# Altium PCB DM0260.PcbDoc (continued)
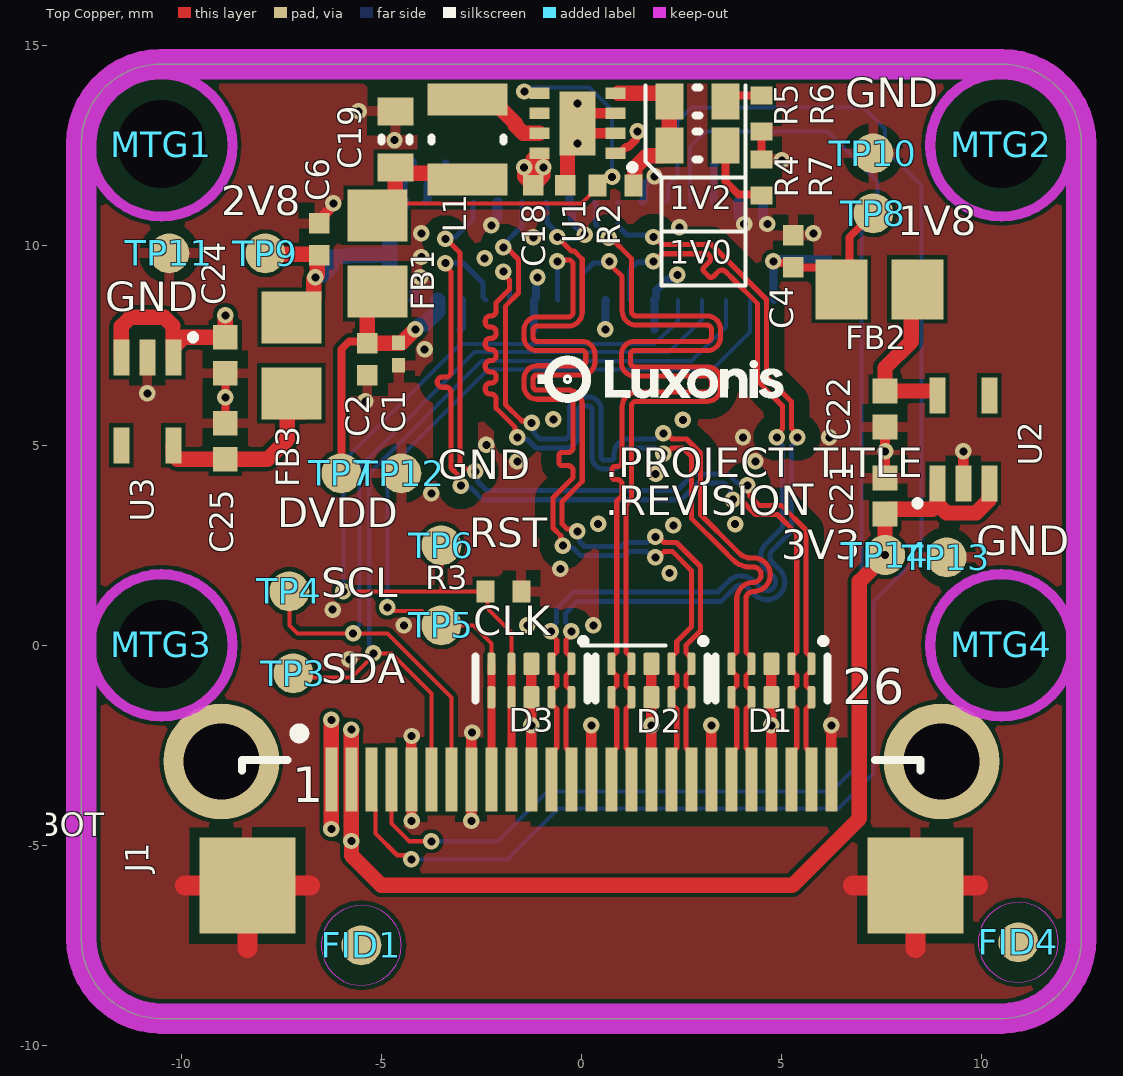
[diagram p0: Top Copper view]
## Part data (continued)
MTG1 MTG2 MTG3 MTG4: library part MP_Mounting-Holes, "=CurrentFootprint", B - Value="Not a Part", A - Level=0
R1 R3 R8: library part RC0402FR-1310KL, "RES SMD 10K OHM 1% 0402 1/16W Chip Resistor, 0402 [1005 Metric], 10 kohm, RC Series, 50 V, Thick Film, 62.5 mW", Case Code (Imperial)=0402, Case Code (Metric)=1005, Manufacturer 1=Yageo, Max Operating Temperature=155°C, Min Operating Temperature=-55°C, Power Rating=62.5mW, Resistance=10kR, Supplier Part Number 1=67R9960, Temperature Coefficient=100ppm/°C, Tolerance=1%, Voltage Rating=50V, Case/Package=0402, ComponentLink1Description=https://datasheet.ciiva.com/16940/pyu-rc0402-51-rohs-l-6-16940293.pdf?src-supplier=Avnet+Europe, ComponentLink1URL=https://datasheet.ciiva.com/16940/pyu-rc0402-51-rohs-l-6-16940293.pdf?src-supplier=Avnet+Europe, ComponentLink2Description=https://datasheet.ciiva.com/28386/pyu-rc0402-51-rohs-l-6-28386855.pdf?src-supplier=Avnet+Europe, ComponentLink2URL=https://datasheet.ciiva.com/28386/pyu-rc0402-51-rohs-l-6-28386855.pdf?src-supplier=Avnet+Europe, ComponentLink3Description=https://datasheet.ciiva.com/16740/pyu-rc0402-51-rohs-l-6-r-16740602.pdf?src-supplier=Future+Electronics, ComponentLink3URL=https://datasheet.ciiva.com/16740/pyu-rc0402-51-rohs-l-6-r-16740602.pdf?src-supplier=Future+Electronics, ComponentLink4Description=https://datasheet.ciiva.com/8891/pyu-rc0402-51-rohs-l-6-8891339.pdf?src-supplier=Avnet, ComponentLink4URL=https://datasheet.ciiva.com/8891/pyu-rc0402-51-rohs-l-6-8891339.pdf?src-supplier=Avnet, ComponentLink5Description=https://datasheet.ciiva.com/5557/pyu-rc0402-51-rohs-l-6-r-5557997.pdf?src-supplier=Mouser, ComponentLink5URL=https://datasheet.ciiva.com/5557/pyu-rc0402-51-rohs-l-6-r-5557997.pdf?src-supplier=Mouser, ComponentLink6Description=https://datasheet.ciiva.com/7983/1018594-7983533.pdf?src-supplier=Element14, ComponentLink6URL=https://datasheet.ciiva.com/7983/1018594-7983533.pdf?src-supplier=Element14, Composition="Thick Film", Contact Plating=Tin,Matte,Lead, Depth=0.5mm, Lead Free="Lead Free", Length=1mm, Manufacturer Part Number 1=RC0402FR-1310KL, Military Standard=Not, Number of Pins=2, Number of Terminations=2, Packaging="Tape and Reel", Pricing 1="1=0.10000, 25=0.01200, 100=0.00400, 250=0.00400, 500=0.00300, 1000=0.00300 (USD)", Radiation Hardening=No, REACH SVHC="No SVHC", RoHS=Yes, Stock 1=62239, Supplier 1=Newark, Supplier 2="Future Electronics", Supplier 3=Mouser, Supplier 4=Element14, Supplier Part Number 2=RC0402FR-1310KL-CUTT, Supplier Part Number 3=603-RC0402FR-1310KL, Supplier Part Number 4=1799235, Termination=SMD/SMT, Voltage Rating (DC)=50V, Working Voltage=50V
R2: library part CRCW040253K6FKED, "RES SMD 53.6K OHM 1% 1/16W 0402", Case Code (Imperial)=0402, Case Code (Metric)=1005, Manufacturer 1=Vishay, Max Operating Temperature=155°C, Max Power Dissipation=63mW, Min Operating Temperature=-55°C, Package Quantity=10, Resistance=53.6kR, Supplier Part Number 1=541-53.6KLCT-ND, Temperature Coefficient=100ppm/°C, Tolerance=1%, Voltage Rating=50V, Case/Package=0402, ComponentLink1Description=https://datasheet.ciiva.com/5542/dcrcwe3-109170-5542453.pdf?src-supplier=Mouser, ComponentLink1URL=https://datasheet.ciiva.com/5542/dcrcwe3-109170-5542453.pdf?src-supplier=Mouser, ComponentLink2Description=https://datasheet.ciiva.com/7815/1697337-7815992.pdf?src-supplier=Element14, ComponentLink2URL=https://datasheet.ciiva.com/7815/1697337-7815992.pdf?src-supplier=Element14, ComponentLink3Description=https://datasheet.ciiva.com/7815/1697337-7815993.pdf?src-supplier=Element14, ComponentLink3URL=https://datasheet.ciiva.com/7815/1697337-7815993.pdf?src-supplier=Element14, ComponentLink4Description=https://datasheet.ciiva.com/16208/dcrcwe3-16208556.pdf?src-supplier=Future+Electronics, ComponentLink4URL=https://datasheet.ciiva.com/16208/dcrcwe3-16208556.pdf?src-supplier=Future+Electronics, ComponentLink5Description=https://datasheet.ciiva.com/2464/dcrcwe3-2464093.pdf?src-supplier=Digi-Key, ComponentLink5URL=https://datasheet.ciiva.com/2464/dcrcwe3-2464093.pdf?src-supplier=Digi-Key, ComponentLink6Description=https://datasheet.ciiva.com/2464/dcrcwe3-2464094.pdf?src-supplier=Digi-Key, ComponentLink6URL=https://datasheet.ciiva.com/2464/dcrcwe3-2464094.pdf?src-supplier=Digi-Key, ComponentLink7Description=https://datasheet.ciiva.com/3256/dcrcwe3-3256638.pdf?src-supplier=Avnet, ComponentLink7URL=https://datasheet.ciiva.com/3256/dcrcwe3-3256638.pdf?src-supplier=Avnet, ComponentLink8Description=https://datasheet.ciiva.com/2464/dcrcwe3-2464095.pdf?src-supplier=Digi-Key, ComponentLink8URL=https://datasheet.ciiva.com/2464/dcrcwe3-2464095.pdf?src-supplier=Digi-Key, ComponentLink9Description=https://datasheet.ciiva.com/3256/dcrcwe3-3256639.pdf?src-supplier=Avnet, ComponentLink9URL=https://datasheet.ciiva.com/3256/dcrcwe3-3256639.pdf?src-supplier=Avnet, Composition="Thick Film", Contact Plating=Tin, Depth=0.5mm, Features="Automotive AEC-Q200", Height=0.016inch, Length=1mm, Manufacturer Part Number 1=CRCW040253K6FKED, Military Standard=Not, Number of Pins=2, Number of Terminations=2, Packaging="Tape and Reel", Power Rating=63mW, Pricing 1="1=0.10000, 10=0.03800, 100=0.01540, 1000=0.00690, 2500=0.00599, 5000=0.00495 (USD)", Radiation Hardening=No, REACH SVHC=Unknown, RoHS=Yes, Stock 1=82953, Supplier 1=Digi-Key, Weight=2.3E-05oz, Width=0.5mm
R4 R5: library part CRCW06030000Z0EA, "RES SMD 0.0R OHM 1% 1/10W 0603", Case Code (Imperial)=0603, Case Code (Metric)=1608, Current Rating=2A, Manufacturer 1=Vishay, Manufacturer Part Number 1=CRCW0603-0000Z0EA, Max Operating Temperature=155°C, Max Power Dissipation=100mW, Min Operating Temperature=-55°C, Package Quantity=1, Resistance=0mR, Supplier Part Number 1=541-0.0GCT-ND, Temperature Coefficient=100ppm/°C, Tolerance=5%, Voltage Rating=75V, Case/Package=0603, ComponentLink1Description=https://datasheet.ciiva.com/2461/dcrcwe3-2461968.pdf?src-supplier=Digi-Key, ComponentLink1URL=https://datasheet.ciiva.com/2461/dcrcwe3-2461968.pdf?src-supplier=Digi-Key, ComponentLink2Description=https://datasheet.ciiva.com/2461/dcrcwe3-2461969.pdf?src-supplier=Digi-Key, ComponentLink2URL=https://datasheet.ciiva.com/2461/dcrcwe3-2461969.pdf?src-supplier=Digi-Key, ComponentLink3Description=https://datasheet.ciiva.com/2461/dcrcwe3-2461970.pdf?src-supplier=Digi-Key, ComponentLink3URL=https://datasheet.ciiva.com/2461/dcrcwe3-2461970.pdf?src-supplier=Digi-Key, ComponentLink4Description=https://datasheet.ciiva.com/8340/dcrcwe3-8340197.pdf?src-supplier=Avnet, ComponentLink4URL=https://datasheet.ciiva.com/8340/dcrcwe3-8340197.pdf?src-supplier=Avnet, ComponentLink5Description=https://datasheet.ciiva.com/16941/dcrcw-16941302.pdf?src-supplier=Avnet+Europe, ComponentLink5URL=https://datasheet.ciiva.com/16941/dcrcw-16941302.pdf?src-supplier=Avnet+Europe, ComponentLink6Description=https://datasheet.ciiva.com/16199/dcrcwe3-16199063.pdf?src-supplier=Future+Electronics, ComponentLink6URL=https://datasheet.ciiva.com/16199/dcrcwe3-16199063.pdf?src-supplier=Future+Electronics, ComponentLink7Description=https://datasheet.ciiva.com/16725/70201119-16725175.pdf?src-supplier=Allied+Electronics, ComponentLink7URL=https://datasheet.ciiva.com/16725/70201119-16725175.pdf?src-supplier=Allied+Electronics, ComponentLink8Description=https://datasheet.ciiva.com/26316/fld-crcw-e3-data-en-26316615.pdf?src-supplier=Distrelec, ComponentLink8URL=https://datasheet.ciiva.com/26316/fld-crcw-e3-data-en-26316615.pdf?src-supplier=Distrelec, ComponentLink9Description=https://datasheet.ciiva.com/5544/dcrcwe3-109170-5544344.pdf?src-supplier=Mouser, ComponentLink9URL=https://datasheet.ciiva.com/5544/dcrcwe3-109170-5544344.pdf?src-supplier=Mouser, ComponentLink10Description=https://datasheet.ciiva.com/7841/1720486-7841816.pdf?src-supplier=Element14, ComponentLink10URL=https://datasheet.ciiva.com/7841/1720486-7841816.pdf?src-supplier=Element14, ComponentLink11Description=https://datasheet.ciiva.com/7841/1720486-7841817.pdf?src-supplier=Element14, ComponentLink11URL=https://datasheet.ciiva.com/7841/1720486-7841817.pdf?src-supplier=Element14, ComponentLink12Description=https://datasheet.ciiva.com/7841/125364-7841818.pdf?src-supplier=Element14, ComponentLink12URL=https://datasheet.ciiva.com/7841/125364-7841818.pdf?src-supplier=Element14, ComponentLink13Description=https://datasheet.ciiva.com/16721/70201119-16721450.pdf?src-supplier=Allied+Electronics, ComponentLink13URL=https://datasheet.ciiva.com/16721/70201119-16721450.pdf?src-supplier=Allied+Electronics, Composition="Thick Film", Contact Plating=Tin,Lead, Depth=0.85mm, Features="Automotive AEC-Q200", Height=0.02inch, Lead Free="Lead Free", Length=1.55mm, Military Standard=Not, Mount="Surface Mount", Number of Terminations=2, Packaging="Tape and Reel", Power Rating=100mW, Pricing 1="1=0.100000, 10=0.034000, 25=0.024400, 50=0.018600, 100=0.013800, 250=0.010480, 500=0.008400, 1000=0.006180 (USD)", Radiation Hardening=No, REACH SVHC=Unknown, RoHS=Yes, Stock 1=742743, Supplier 1=Digi-Key, Termination=SMD/SMT, Voltage Rating (DC)=75V, Weight=7.1E-05oz, Width=0.033inch, Working Voltage=75V
R6: library part CRCW040233K0FKED, "RES SMD 33K OHM 1% 1/16W 0402", Case Code (Imperial)=0402, Case Code (Metric)=1005, Manufacturer 1=Vishay, Max Operating Temperature=155°C, Max Power Dissipation=63mW, Min Operating Temperature=-55°C, Package Quantity=10, Resistance=33kR, Supplier Part Number 1=541-33.0KLCT-ND, Temperature Coefficient=100ppm/°C, Tolerance=1%, Voltage Rating=50V, Case/Package=0402, ComponentLink1Description=https://datasheet.ciiva.com/11812/0900766b80d98824-11812191.pdf?src-supplier=RSComponents, ComponentLink1URL=https://datasheet.ciiva.com/11812/0900766b80d98824-11812191.pdf?src-supplier=RSComponents, ComponentLink2Description=https://datasheet.ciiva.com/5544/dcrcwe3-109170-5544613.pdf?src-supplier=Mouser, ComponentLink2URL=https://datasheet.ciiva.com/5544/dcrcwe3-109170-5544613.pdf?src-supplier=Mouser, ComponentLink3Description=https://datasheet.ciiva.com/22870/70201119-22870281.pdf?src-supplier=Allied+Electronics, ComponentLink3URL=https://datasheet.ciiva.com/22870/70201119-22870281.pdf?src-supplier=Allied+Electronics, ComponentLink4Description=https://datasheet.ciiva.com/2463/dcrcwe3-2463133.pdf?src-supplier=Digi-Key, ComponentLink4URL=https://datasheet.ciiva.com/2463/dcrcwe3-2463133.pdf?src-supplier=Digi-Key, ComponentLink5Description=https://datasheet.ciiva.com/2463/dcrcwe3-2463134.pdf?src-supplier=Digi-Key, ComponentLink5URL=https://datasheet.ciiva.com/2463/dcrcwe3-2463134.pdf?src-supplier=Digi-Key, ComponentLink6Description=https://datasheet.ciiva.com/22674/1847332-22674693.pdf?src-supplier=Element14, ComponentLink6URL=https://datasheet.ciiva.com/22674/1847332-22674693.pdf?src-supplier=Element14, ComponentLink7Description=https://datasheet.ciiva.com/16200/dcrcwe3-16200566.pdf?src-supplier=Future+Electronics, ComponentLink7URL=https://datasheet.ciiva.com/16200/dcrcwe3-16200566.pdf?src-supplier=Future+Electronics, ComponentLink8Description=https://datasheet.ciiva.com/3256/dcrcwe3-3256411.pdf?src-supplier=Avnet, ComponentLink8URL=https://datasheet.ciiva.com/3256/dcrcwe3-3256411.pdf?src-supplier=Avnet, ComponentLink9Description=https://datasheet.ciiva.com/3256/dcrcwe3-3256412.pdf?src-supplier=Avnet, ComponentLink9URL=https://datasheet.ciiva.com/3256/dcrcwe3-3256412.pdf?src-supplier=Avnet, ComponentLink10Description=https://datasheet.ciiva.com/2463/dcrcwe3-2463135.pdf?src-supplier=Digi-Key, ComponentLink10URL=https://datasheet.ciiva.com/2463/dcrcwe3-2463135.pdf?src-supplier=Digi-Key, ComponentLink11Description=https://datasheet.ciiva.com/16772/70201119-16772031.pdf?src-supplier=Allied+Electronics, ComponentLink11URL=https://datasheet.ciiva.com/16772/70201119-16772031.pdf?src-supplier=Allied+Electronics, ComponentLink12Description=https://datasheet.ciiva.com/22704/1697337-22704431.pdf?src-supplier=Element14, ComponentLink12URL=https://datasheet.ciiva.com/22704/1697337-22704431.pdf?src-supplier=Element14, Composition="Thick Film", Contact Plating=Tin, Depth=0.5mm, Features="Automotive AEC-Q200", Height=0.35mm, Lead Free="Lead Free", Length=1mm, Manufacturer Part Number 1=CRCW040233K0FKED, Military Standard=Not, Mount="Surface Mount", Number of Pins=2, Number of Terminations=2, Packaging="Tape and Reel", Power Rating=63mW, Pricing 1="1=0.10000, 10=0.03800, 100=0.01540, 1000=0.00690, 2500=0.00599, 5000=0.00495 (USD)", Radiation Hardening=No, REACH SVHC=Unknown, RoHS=Yes, Stock 1=59075, Supplier 1=Digi-Key, Supplier 2=Newark, Supplier 3=Mouser, Supplier Part Number 2=26W9081, Supplier Part Number 3=71-CRCW040233K0FKED, Termination=SMD/SMT, Voltage Rating (DC)=50V, Weight=2.3E-05oz, Width=0.5mm
R7: library part RC0402FR-0740K2L, "RES SMD 40.2K OHM 1% 1/16W 0402", Case Code (Imperial)=0402, Case Code (Metric)=1005, Manufacturer 1=Yageo, Max Operating Temperature=155°C, Max Power Dissipation=63mW, Min Operating Temperature=-55°C, Package Quantity=1, Power Rating=62.5mW, Resistance=40.2kR, Supplier Part Number 1=311-40.2KLRCT-ND, Temperature Coefficient=100ppm/°C, Tolerance=1%, Voltage Rating=50V, Case/Package=0402, ComponentLink1Description=https://datasheet.ciiva.com/2453/pyu-r-int-thick-7-2453437.pdf?src-supplier=Digi-Key, ComponentLink1URL=https://datasheet.ciiva.com/2453/pyu-r-int-thick-7-2453437.pdf?src-supplier=Digi-Key, ComponentLink2Description=https://datasheet.ciiva.com/2453/pyu-r-int-thick-7-2453438.pdf?src-supplier=Digi-Key, ComponentLink2URL=https://datasheet.ciiva.com/2453/pyu-r-int-thick-7-2453438.pdf?src-supplier=Digi-Key, ComponentLink3Description=https://datasheet.ciiva.com/8889/pyu-rc0402-51-rohs-l-6-8889263.pdf?src-supplier=Avnet, ComponentLink3URL=https://datasheet.ciiva.com/8889/pyu-rc0402-51-rohs-l-6-8889263.pdf?src-supplier=Avnet, ComponentLink4Description=https://datasheet.ciiva.com/28400/pyu-rc0402-51-rohs-l-6-28400199.pdf?src-supplier=Avnet+Europe, ComponentLink4URL=https://datasheet.ciiva.com/28400/pyu-rc0402-51-rohs-l-6-28400199.pdf?src-supplier=Avnet+Europe, ComponentLink5Description=https://datasheet.ciiva.com/2453/pyu-r-int-thick-7-2453436.pdf?src-supplier=Digi-Key, ComponentLink5URL=https://datasheet.ciiva.com/2453/pyu-r-int-thick-7-2453436.pdf?src-supplier=Digi-Key, ComponentLink6Description=https://datasheet.ciiva.com/5557/pyu-rc0402-51-rohs-l-6-r-5557981.pdf?src-supplier=Mouser, ComponentLink6URL=https://datasheet.ciiva.com/5557/pyu-rc0402-51-rohs-l-6-r-5557981.pdf?src-supplier=Mouser, ComponentLink7Description=https://datasheet.ciiva.com/16744/pyu-rc0402-51-rohs-l-6-r-16744286.pdf?src-supplier=Future+Electronics, ComponentLink7URL=https://datasheet.ciiva.com/16744/pyu-rc0402-51-rohs-l-6-r-16744286.pdf?src-supplier=Future+Electronics, ComponentLink8Description=https://datasheet.ciiva.com/16857/pyu-rc0402-51-rohs-l-6-16857071.pdf?src-supplier=Avnet+Europe, ComponentLink8URL=https://datasheet.ciiva.com/16857/pyu-rc0402-51-rohs-l-6-16857071.pdf?src-supplier=Avnet+Europe, Composition="Thick Film", Contact Plating=Tin,Matte, Depth=0.5mm, Features="Moisture Resistant", Height=0.016inch, Lead Free="Lead Free", Length=0.039inch, Manufacturer Part Number 1=RC0402FR-0740K2L, Military Standard=Not, Number of Terminations=2, Packaging="Tape and Reel", Pricing 1="1=0.10000, 10=0.01600, 100=0.00640, 1000=0.00289, 2500=0.00251, 5000=0.00207 (USD)", RoHS=Yes, Stock 1=1379708, Supplier 1=Digi-Key, Supplier 2=Mouser, Supplier 3=TTI, Supplier Part Number 2=603-RC0402FR-0740K2L, Supplier Part Number 3=RC0402FR-0740K2L, Termination=SMD/SMT, Voltage Rating (DC)=50V, Width=0.02inch
TP1 TP2 TP3 TP4 TP5 TP6 TP7 TP8 TP9 TP10 TP11 TP12 TP13 TP14: library part TEST_POINT
U1: "IC REG BUCK ADJ 1.2A SYNC 8WSON", Manufacturer 1="Texas Instruments", Manufacturer Part Number 1=TLV62080DSGR, Manufacturer Part Number 2=TLV62080DSGT, Max Input Voltage=5.5V, Max Operating Temperature=125°C, Max Output Current=1.2A, Max Output Voltage=4V, Min Input Voltage=2.5V, Min Operating Temperature=-40°C, Min Output Voltage=500mV, Nominal Supply Current=30uA, Package Quantity=3000, Supplier Part Number 1=296-39270-1-ND, Switching Frequency=2MHz, ComponentLink1Description=https://datasheet.ciiva.com/6604/tlv62080-6604087.pdf?src-supplier=Digi-Key, ComponentLink1URL=https://datasheet.ciiva.com/6604/tlv62080-6604087.pdf?src-supplier=Digi-Key, ComponentLink2Description=https://datasheet.ciiva.com/14378/tlv62080-14378282.pdf?src-supplier=Avnet, ComponentLink2URL=https://datasheet.ciiva.com/14378/tlv62080-14378282.pdf?src-supplier=Avnet, ComponentLink3Description=https://datasheet.ciiva.com/29732/tlv62080-29732147.pdf?src-supplier=Digi-Key, ComponentLink3URL=https://datasheet.ciiva.com/29732/tlv62080-29732147.pdf?src-supplier=Digi-Key, ComponentLink4Description=https://datasheet.ciiva.com/29732/tlv62080-29732156.pdf?src-supplier=Digi-Key, ComponentLink4URL=https://datasheet.ciiva.com/29732/tlv62080-29732156.pdf?src-supplier=Digi-Key, ComponentLink5Description=https://datasheet.ciiva.com/29732/tlv62080-29732151.pdf?src-supplier=Digi-Key, ComponentLink5URL=https://datasheet.ciiva.com/29732/tlv62080-29732151.pdf?src-supplier=Digi-Key, ComponentLink6Description=https://datasheet.ciiva.com/14378/tlv62080-14378283.pdf?src-supplier=Avnet, ComponentLink6URL=https://datasheet.ciiva.com/14378/tlv62080-14378283.pdf?src-supplier=Avnet, ComponentLink7Description=https://datasheet.ciiva.com/26104/tlv62080-26104460.pdf?src-supplier=Avnet+Europe, ComponentLink7URL=https://datasheet.ciiva.com/26104/tlv62080-26104460.pdf?src-supplier=Avnet+Europe, Contact Plating=Gold, Lead Free="Lead Free", Manufacturer 2="Texas Instruments", Min Supply Voltage=2.5V, Mount="Surface Mount", Number of Outputs=1, Number of Pins=8, Output Configuration=Positive, Output Current=1.2A, Output Type=Adjustable, Output Voltage=4V, Packaging="Tape and Reel", Pricing 1="1=1.35000, 10=1.20300, 100=0.93810, 500=0.77498, 1000=0.61182 (USD)", Pricing 2="1=1.48000, 10=1.32700, 100=1.06620 (USD)", Quiescent Current=30uA, Radiation Hardening=No, REACH SVHC="No SVHC", RoHS=Yes, Stock 1=93781, Stock 2=6366, Supplier 1=Digi-Key, Supplier 2=Digi-Key, Supplier Part Number 2=296-36759-1-ND, Synchronous Rectifier=Yes
U2: "IC REG LINEAR 1.8V 200MA SC70-5 Linear Voltage Regulator IC  1 Output  200mA SC-70-5", Case/Package=SC, Dropout Voltage=175mV, Manufacturer 1="Texas Instruments", Manufacturer Part Number 1=TLV70018DCKR, Manufacturer Part Number 2=TLV70018DCKT, Max Input Voltage=5.5V, Max Operating Temperature=125°C, Max Output Current=200mA, Max Output Voltage=1.8V, Max Power Dissipation=320mW, Min Current Limit=220mA, Min Input Voltage=2V, Min Operating Temperature=-40°C, Nominal Supply Current=31uA, Output Voltage Accuracy=2%, Package Quantity=1, Quiescent Current=30uA, Supplier Part Number 1=296-32409-1-ND, Accuracy=2%, ComponentLink1Description=https://datasheet.ciiva.com/41462/001014631-da-01-en-ic-reg-ldo-1-8v-0-tlv70018dckr-sot-5-tid-41462480.pdf?src-supplier=Conrad, ComponentLink1URL=https://datasheet.ciiva.com/41462/001014631-da-01-en-ic-reg-ldo-1-8v-0-tlv70018dckr-sot-5-tid-41462480.pdf?src-supplier=Conrad, ComponentLink2Description=https://datasheet.ciiva.com/22700/1882059-22700171.pdf?src-supplier=Element14, ComponentLink2URL=https://datasheet.ciiva.com/22700/1882059-22700171.pdf?src-supplier=Element14, ComponentLink3Description=https://datasheet.ciiva.com/14149/tlv700-eng-ds-14149837.pdf?src-supplier=Distrelec, ComponentLink3URL=https://datasheet.ciiva.com/14149/tlv700-eng-ds-14149837.pdf?src-supplier=Distrelec, ComponentLink4Description=https://datasheet.ciiva.com/7992/1882059-7992894.pdf?src-supplier=Element14, ComponentLink4URL=https://datasheet.ciiva.com/7992/1882059-7992894.pdf?src-supplier=Element14, Contact Plating=Gold, Height=1mm, Lead Free="Lead Free", Length=2.15mm, Manufacturer 2="Texas Instruments", Min Output Voltage=1.8V, Nominal Output Voltage=1.8V, Number of Outputs=1, Number of Pins=5, Number of Regulators=1, Output Current=200mA, Output Type=Fixed, Output Voltage=1.8V, Packaging="Tape and Reel", Polarity=Positive, Power Dissipation=320mW, Power Rating=320mW, Pricing 1="1=0.48000, 10=0.40900, 100=0.30570, 500=0.24020, 1000=0.18561 (USD)", Pricing 2="1=0.55000, 10=0.46700, 100=0.34900 (USD)", Radiation Hardening=No, REACH SVHC="No SVHC", RoHS=Yes, Stock 1=63905, Stock 2=13188, Supplier 1=Digi-Key, Supplier 2=Digi-Key, Supplier Part Number 2=296-25269-1-ND, Width=1.4mm
U3: "IC REG LINEAR 2.8V 200MA SC70-5 Linear Voltage Regulator IC  1 Output  200mA SC-70-5", Case/Package=SC, Dropout Voltage=175mV, Manufacturer 1="Texas Instruments", Manufacturer Part Number 1=TLV70028DCKT, Manufacturer Part Number 2=TLV70028DCKR, Max Input Voltage=5.5V, Max Operating Temperature=125°C, Max Output Current=200mA, Max Output Voltage=2.8V, Max Power Dissipation=320mW, Min Current Limit=220mA, Min Input Voltage=2V, Min Operating Temperature=-40°C, Nominal Supply Current=31uA, Output Voltage Accuracy=2%, Package Quantity=1, Quiescent Current=30uA, Supplier Part Number 1=296-39279-1-ND, Accuracy=2%, ComponentLink1Description=https://datasheet.ciiva.com/14149/tlv700-eng-ds-14149840.pdf?src-supplier=Distrelec, ComponentLink1URL=https://datasheet.ciiva.com/14149/tlv700-eng-ds-14149840.pdf?src-supplier=Distrelec, ComponentLink2Description=https://datasheet.ciiva.com/22700/1882059-22700172.pdf?src-supplier=Element14, ComponentLink2URL=https://datasheet.ciiva.com/22700/1882059-22700172.pdf?src-supplier=Element14, ComponentLink3Description=http://components.arrow.com/part/dataview/0323_00585634?src-supplier=Arrow+Europe, ComponentLink3URL=http://components.arrow.com/part/dataview/0323_00585634?src-supplier=Arrow+Europe, ComponentLink4Description=http://focus.ti.com/lit/ds/symlink/tlv70033.pdf?src-supplier=Avnet+Europe, ComponentLink4URL=http://focus.ti.com/lit/ds/symlink/tlv70033.pdf?src-supplier=Avnet+Europe, ComponentLink5Description=http://www.ti.com/lit/ds/slvsa00d/slvsa00d.pdf?src-supplier=Digi-Key, ComponentLink5URL=http://www.ti.com/lit/ds/slvsa00d/slvsa00d.pdf?src-supplier=Digi-Key, ComponentLink6Description=http://www.ti.com/lit/pdf/slyy050?src-supplier=Digi-Key, ComponentLink6URL=http://www.ti.com/lit/pdf/slyy050?src-supplier=Digi-Key, ComponentLink7Description=http://www.ti.com/general/docs/lit/getliterature.tsp?genericPartNumber=TLV700&&fileType=pdf&src-supplier=Avnet+Asia, ComponentLink7URL=http://www.ti.com/general/docs/lit/getliterature.tsp?genericPartNumber=TLV700&&fileType=pdf&src-supplier=Avnet+Asia, ComponentLink8Description=http://www.ti.com/general/docs/lit/getliterature.tsp?genericPartNumber=TLV700&&fileType=pdf&src-supplier=Avnet, ComponentLink8URL=http://www.ti.com/general/docs/lit/getliterature.tsp?genericPartNumber=TLV700&&fileType=pdf&src-supplier=Avnet, ComponentLink9Description=http://components.arrow.com/part/dataview/48329233S8322732N7713?src-supplier=Arrow, ComponentLink9URL=http://components.arrow.com/part/dataview/48329233S8322732N7713?src-supplier=Arrow, ComponentLink10Description=http://www.ti.com/litv/slvsa00d?src-supplier=Mouser, ComponentLink10URL=http://www.ti.com/litv/slvsa00d?src-supplier=Mouser, ComponentLink11Description=http://www.ti.com/lit/ds/slvsa00e/slvsa00e.pdf?src-supplier=Digi-Key, ComponentLink11URL=http://www.ti.com/lit/ds/slvsa00e/slvsa00e.pdf?src-supplier=Digi-Key, Contact Plating=Gold, Height=1mm, Lead Free="Lead Free", Length=2.15mm, Manufacturer 2="Texas Instruments", Max Supply Voltage=5.5V, Min Output Voltage=2.8V, Min Supply Voltage=2V, Nominal Output Voltage=2.8V, Number of Outputs=1, Number of Pins=5, Number of Regulators=1, Output Current=200mA, Output Type=Fixed, Output Voltage=2.8V, Packaging="Tape and Reel", Polarity=Positive, Power Dissipation=320mW, Power Rating=320mW, Pricing 1="1=0.55000, 10=0.46700, 100=0.34900 (USD)", Pricing 2="1=0.48000, 10=0.40900, 100=0.30570, 500=0.24020, 1000=0.18561 (USD)", Radiation Hardening=No, REACH SVHC="No SVHC", RoHS=Yes, Stock 1=832, Stock 2=30013, Supplier 1=Digi-Key, Supplier 2=Digi-Key, Supplier Part Number 2=296-25271-1-ND, Termination=SMD/SMT, Width=1.4mm

## Free pads (board coordinates)
  round 2.9 hole 1.9: 6(9,-2.9) 7(-9,-2.9)

## Via types
v1: diameter 0.41, hole 0.2, Top Copper to Bottom Layer, tented both sides, 100 vias
v2: diameter 0.406, hole 0.203, Top Copper to Bottom Layer, 2 vias

## Nets (pads, with @x,y where several pads share a name; then routed paths per layer and width w, separated by ;. In a path a pad name is that pad's centre, name@x,y a point inside that pad or via, vN(x,y) a via of type N, cw(c..) or ccw(c..) an arc to the next point about the centre after c; other vN are vias at no path point)
1.8V: C22.2 FB2.1 U2.5 | length 4.3
  Top Copper w0.381: FB2.1 8.25,8.75 8.25,7.6 7.59,6.94 C22.2 8.891,6.358 8.9,6.348 U2.5
2.8V: C25.2 FB3.1 U3.5 | length 4.5
  Top Copper w0.381: U3.5 -10.2,4.75 -10.1,4.65 C25.2 -7.848,4.65 -7.35,5.148 -7.35,5.84 -6.91,5.84 FB3.1@-6.9,5.85
3V3: C18.2 C21.2 C24.2 J1.1 J1.2 TP14.1 U1.1 U1.8 U2.1 U2.3 U3.1 U3.3 | length 43.9
  Top Copper w0.2: v1(-1.427,11.95) -1.2,11.95 v1@-1.125,11.95 ; C18.2 -1.125,11.575 v1@-1.125,11.95 ; U1.8 -1.085,12.3 -1.125,12.26 v1@-1.125,11.95 ; v1@-0.925,12.15 -0.925,11.975 v1(-0.95,11.95) v1@-1.125,11.95 ; U1.1 0.96,12.3 1.12,12.46 1.183,12.46 1.365,12.642 1.365,12.81 v1(1.405,12.85)
  Top Copper w0.381: U3.3 -11.5,7.977 -11.277,8.2 -10.423,8.2 -10.209,7.986 -10.209,7.21 U3.1 -10.2,7.45 -9.95,7.7 C24.2 v1(-8.9,8.25) ; v1@-6.25,-4.6 v1(-6.25,-4.592) v1(-6.25,-1.861) v1@-6.25,-1.853 ; v1@-5.75,-4.899 v1(-5.75,-4.891) ; v1@-5.75,-2.102 v1(-5.75,-2.11) J1.2 v1(-5.75,-4.891) ; v1(-1.427,11.95) -1.422,11.944 -1.422,11.722 C18.2 -1.2,11.95 -1.2,12.15 ; C18.2@-1.125,11.575 -0.956,11.744 -0.956,11.944 v1(-0.95,11.95) ; C21.2 7.595,2.245 6.95,1.6 6.95,-4.325 5.275,-6 -5,-6 -5.744,-5.256 -5.744,-4.897 v1(-5.75,-4.891) ; C21.2@7.715,3.404 8.781,3.404 8.9,3.523 U2.1 ; 8.91,3.533 9.133,3.309 9.87,3.309 10.191,3.63 10.191,4.04 U2.3
  Layer 1 w0.2: v1(-0.95,11.95) -0.95,12.8 -0.75,13 1.198,13 1.348,12.85 v1(1.405,12.85)
  other v1: 7.595,2.258
C_1.8V: C3.2 C4.2 FB2.2 J2.1 TP8.1 | length 7
  Top Copper w0.2: v1(4.8,9.6) 4.84,9.56 5.14,9.56 5.3,9.4 C4.2@5.3,9.35 ; C4.2 5.95,9.45 6,9.4 FB2.2@6,8.35 ; FB2.2 6.7,9.1 6.7,10.2 TP8.1
  Bottom Layer w0.2: J2.1 4.806,8.64 4.806,9.594 v1(4.8,9.6) 4.857,9.6 4.916,9.659 6.161,9.659 C3.2@6.179,9.641
C_2.8V: C5.2 C6.2 FB3.2 J2.32 J2.33 R8.2 TP9.1 | length 9.2
  Top Copper w0.381: TP9.1 -7.875,9.775 -6.575,9.775 C6.2 -6.604,9.696 -6.604,9.254 -6.65,9.208 v1(-6.65,9.2) -6.65,9.192 -6.69,9.152 -6.69,8.66 -7.15,8.2 FB3.2
  Bottom Layer w0.2: J2.32 -4.44,11.125 -4.44,11.57 -4.425,11.584 -4.425,11.925 R8.2
  Bottom Layer w0.381: v1(-6.65,9.2) -6.642,9.2 -6.592,9.25 -6.473,9.25 -6.25,9.473 C5.2 -5.836,9.722 -5.808,9.75 -4.831,9.75 -4.788,9.707 ; J2.33 -4.788,9.707 ; J2.32 -4.48,10.99 -4.521,10.95 -4.524,10.95 -4.788,10.686 -4.788,9.707 ; R8.2@-4.3,12 R8.2
C_DVDD: C1.2 C2.2 FB1.2 J2.29 TP7.1 | length 7.6
  Top Copper w0.2: TP7.1 -6,7.4 -5.8,7.6 -5.4,7.6 C2.2
  Top Copper w0.381: FB1.2 -5.35,8.6 C2.2 C1.2@-4.58,7.55 ; C1.2@-4.57,7.55 -4.508,7.55 -4.158,7.9 v1(-4.15,7.9)
  Bottom Layer w0.381: v1@-4.144,7.906 -4.137,7.906 -4.023,8.019 -3.917,8.019 -3.588,8.348 J2.29
CAM_CLK: D3.5 D3.6 J1.9 J2.3 TP5.1 | length 21.1
  Top Copper w0.102: v1(-4.85,0.95) -4.767,0.95 -4.67,0.854 -3.985,0.854 -3.629,0.498 -2.698,0.498 -2.25,0.05 D3.5 D3.5@-2.25,-0.472
  Top Copper w0.2: J1.9 D3.6 -2.25,-0.648 D3.5@-2.25,-0.472
  Bottom Layer w0.102: v1(-4.85,0.95) -4.85,4.378 -2.334,6.895 3.278,6.895 4.212,7.829 J2.3
CAM_RST: D3.4 D3.7 J1.10 J2.9 R3.2 TP6.1 | length 23.3
  Top Copper w0.102: v1(-5.95,1.35) -3.5,1.35 ; TP6.1 -3.5,1.35 ; R3.2 R3.2@-2.45,1.35 ; D3.4 -1.75,0.324 -2.35,0.924 -2.35,1.25 R3.2@-2.45,1.35 ; -3.5,1.35 R3.2@-2.45,1.35
  Top Copper w0.2: J1.10 -1.75,-1.483 D3.7 D3.4
  Bottom Layer w0.102: v1(-5.95,1.35) -5.95,4.608 -3.026,7.532 1.832,7.532 2.412,8.112 J2.9
FSIN: J1.4 J2.8 TP2.1 | length 35.4
  Top Copper w0.102: J1.4 -4.75,-4.45 -4.301,-4.899 v1(-3.75,-4.899)
  Bottom Layer w0.102: v1(-3.75,-4.899) -2.099,-4.899 -0.85,-3.65 6.25,-3.65 7,-2.9 7,10.5 TP2.1 7.407,11.093 7.407,11.593 7,12 6.15,12.85 3.1,12.85 2.72,12.47 J2.8
GND: C1.1 C2.1 C3.1 C4.1 C5.1 C6.1 C18.1 C19.1 C21.1 C22.1 C24.1 C25.1 D1.3 D1.8 D2.3 D2.8 D3.3 D3.8 J1.5 J1.8 J1.11 J1.14 J1.17 J1.20 J1.23 J1.26 J1.MP1 J1.MP2 J2.2 J2.4 J2.11 J2.12 J2.15 J2.18 J2.21 J2.24 J2.27 J2.31 R1.1 R3.1 R6.1 R7.1 TP10.1 TP11.1 TP12.1 TP13.1 U1.2 U1.3 U1.9 U2.2 U3.2 | length 44.9
  Top Copper w0.2: C25.1 C24.1 ; U1.9@-0.3,12.35 v2(-0.1,12.55) ; R7.1 R6.1
  Top Copper w0.254: C6.1 -6.417,10.683 -6.417,10.778 -6.2,10.995 v1(-6.2,11.05) ; v1(-4.244,-2.267) -4.25,-2.273 J1.5 -4.246,-3.355 -4.246,-4.387 v1(-4.242,-4.391) ; v1(-2.75,-4.391) -2.75,-2.198 v1(-2.731,-2.179) ; J1.11 v1(-1.25,-2) D3.3 ; J1.14 v1(0.25,-2) ; U1.2 0.15,12.8 U1.9 0.15,13.3 U1.3 ; J1.17 v1(1.75,-2) D2.3 ; J1.20 v1(3.25,-2) ; J1.23 v1(4.75,-2) D1.3 ; J1.26@6.25,-3.351 v1(6.25,-2) ; C22.1 7.593,5.455 7.593,4.853 v1(7.595,4.85) C21.1 ; U2.2 v1(9.55,4.85)
  Top Copper w0.38: C18.1 -0.344,11.556 -0.344,12.806 U1.9
  Top Copper w0.5: -9.912,-6.001 J1.MP1 ; -8.35,-7.563 J1.MP1 ; -6.788,-6.001 J1.MP1 ; 6.788,-6.001 J1.MP2 ; 8.35,-7.563 J1.MP2 ; 9.912,-6.001 J1.MP2
  Bottom Layer w0.2: -3.026,7.906 -2.988,7.943 J2.27 ; -1.188,7.9 J2.21 -1.138,8.684 -1.138,9.098 -1.095,9.14 v1(-1.095,9.197) ; -0.3,12 -0.3,11.084 J2.18 -0.23,11.034 -0.23,10.599 0.081,10.288 v1(0.081,10.265) ; v1(0.6,7.9) 0.606,7.906 0.606,8.628 J2.15 ; J2.12 1.57,11.134 1.57,11.504 1.792,11.726 v1(1.83,11.726) ; 1.832,7.9 1.832,8.634 J2.11 1.862,8.684 1.862,8.859 2.103,9.1 2.12,9.1 2.179,9.159 2.238,9.159 2.343,9.264 v1(2.4,9.264)
  Bottom Layer w0.254: J2.31 -4.165,8.657 -4.165,9.016 -4.023,9.158 v1(-4.023,9.2) ; v1(-2.25,10.5) -2.25,10.542 -2.103,10.689 -2.103,11.061 J2.24 ; J2.4 3.92,10.909 3.943,10.886 3.943,10.702 4.07,10.574 v1(4.07,10.532) ; J2.2 4.543,11.061 4.543,10.681 4.65,10.574 v1(4.65,10.532)
  other v1: -5.8,-0.35 -4.438,0.498 -1.35,0.5 0.3,0.5 -6.215,0.893 2.204,1.803 -0.524,1.913 2.3,3 0.423,3.038 3.848,3.03 -3.75,3.8 1.856,4.287 -1.6,4.6 4.35,4.6 -2.375,5.013 4.042,5.2 6.2,5.2 2.541,5.636 -0.7,5.65 -5.4,6.1 -8.9,6.2 -10.85,6.3 -3.917,7.4 -2.415,9.674 -4,9.707 -1.2,10.2 -4,10.3 5.8,10.3 2.45,10.45 5.013,12.122 -4.669,12.627 -5.565,13.348
  other v2: -0.1,13.55
I2C_SCL: J1.7 J2.7 TP4.1 | length 22.5
  Top Copper w0.102: TP4.1 -7.3,0.5 -7.1,0.3 v1(-5.703,0.3) -4.85,0.3 -3.25,-1.3 J1.7
  Bottom Layer w0.102: v1(-5.703,0.3) -5.703,0.361 -5.55,0.514 -5.55,4.45 -2.671,7.329 2.192,7.329 3.012,8.15 J2.7
I2C_SDA: J1.6 J2.5 TP3.1 | length 22.3
  Top Copper w0.102: TP3.1@-7.5,-0.7 -7.4,-0.8 -5.747,-0.8 -5.2,-0.253 v1(-5.2,-0.2) -4.75,-0.2 -4.362,-0.588 -3.75,-1.2 J1.6
  Bottom Layer w0.102: v1(-5.2,-0.2) -5.2,-0.117 -5.302,-0.015 -5.302,4.298 -2.495,7.105 2.755,7.105 3.612,7.962 J2.5
MIPI_C_N: D2.1 D2.10 J1.19 J2.20 | length 23.5
  Top Copper w0.127: v1(-0.6,10.208) -0.255,9.863 -0.184,9.863 0.024,9.655 0.024,9.601 0.024,8.335 cw(c-0.331,8.335) -0.331,7.98 -1.108,7.98 ccw(c-1.108,7.885) -1.203,7.885 -1.203,7.694 ccw(c-1.108,7.694) -1.108,7.599 0.016,7.599 cw(c0.016,7.275) 0.34,7.275 0.34,7.085 cw(c0.016,7.085) 0.016,6.761 -1.108,6.761 ccw(c-1.108,6.666) -1.203,6.666 -1.203,6.475 ccw(c-1.108,6.475) -1.108,6.38 -0.331,6.38 cw(c-0.331,6.025) 0.024,6.025 0.024,5.847 0.024,4.101 -0.479,3.598 -0.479,3.03 -0.352,2.903 -0.153,2.903 v1(-0.1,2.85) ; v1(1.85,2.71) 1.925,2.71 2.066,2.569 2.378,2.569 2.979,1.968 2.979,0.364 2.621,0.006 2.621,-0.179 2.75,-0.349 D2.1 2.75,-0.648 2.714,-0.684 2.689,-0.684 2.614,-0.758 2.614,-1.007 2.689,-1.081 2.714,-1.081 2.75,-1.117 D2.10 2.75,-1.483 2.714,-1.519 2.689,-1.519 2.614,-1.593 2.614,-2.305 2.614,-2.565 2.75,-2.701 J1.19
  Bottom Layer w0.127: J2.20 -0.858,11.062 -0.858,10.569 -0.6,10.311 v1(-0.6,10.208) ; v1(-0.1,2.85) -0.047,2.797 -0.047,2.598 0.08,2.471 1,2.471 1.099,2.569 1.634,2.569 1.775,2.71 v1(1.85,2.71)
MIPI_C_P: D2.2 D2.9 J1.18 J2.19 | length 23.5
  Top Copper w0.127: v1(-0.6,9.6) -0.566,9.634 -0.279,9.634 -0.245,9.601 -0.204,9.56 -0.204,8.335 cw(c-0.331,8.335) -0.331,8.208 -1.108,8.208 ccw(c-1.108,7.885) -1.431,7.885 -1.431,7.694 ccw(c-1.108,7.694) -1.108,7.37 0.016,7.37 cw(c0.016,7.275) 0.111,7.275 0.111,7.085 cw(c0.016,7.085) 0.016,6.99 -1.108,6.99 ccw(c-1.108,6.666) -1.431,6.666 -1.431,6.475 ccw(c-1.108,6.475) -1.108,6.152 -0.331,6.152 cw(c-0.331,6.025) -0.204,6.025 -0.204,5.847 -0.204,5.2 -0.204,4.948 cw(c-0.331,4.948) -0.331,4.821 -0.476,4.821 ccw(c-0.476,4.738) -0.558,4.738 -0.558,4.573 ccw(c-0.476,4.573) -0.476,4.491 -0.331,4.491 cw(c-0.331,4.364) -0.204,4.364 -0.204,4.3 -0.204,4.196 -0.708,3.692 -0.708,2.935 -0.514,2.742 -0.514,2.543 v1(-0.461,2.489) ; v1(1.85,2.2) 1.925,2.2 2.066,2.341 2.283,2.341 2.751,1.873 2.751,0.458 2.386,0.093 2.386,-0.172 2.311,-0.246 2.287,-0.246 2.25,-0.282 D2.2 2.25,-0.648 2.287,-0.684 2.311,-0.684 2.386,-0.758 2.386,-1.007 2.311,-1.081 2.287,-1.081 2.25,-1.117 D2.9 2.25,-1.483 2.287,-1.519 2.311,-1.519 2.386,-1.593 2.386,-2.211 2.386,-2.565 2.25,-2.701 J1.18
  Bottom Layer w0.127: v1(-0.6,9.6) -0.594,9.594 -0.594,8.64 J2.19 ; v1(-0.461,2.489) -0.407,2.436 -0.208,2.436 -0.015,2.242 1.095,2.242 1.194,2.341 1.634,2.341 1.775,2.2 v1(1.85,2.2)
MIPI_D0_N: D1.1 D1.10 J1.25 J2.26 | length 23.6
  Top Copper w0.127: v1(-3.4,10.163) -3.384,10.163 -3.029,9.808 -3.029,4.53 -2.902,4.403 -2.703,4.403 v1(-2.65,4.35) ; v1(4.15,4) 4.203,3.947 4.203,3.747 4.45,3.5 5,3.5 5.614,2.886 5.614,-0.172 5.689,-0.246 5.713,-0.246 5.75,-0.282 D1.1 5.75,-0.648 5.713,-0.684 5.689,-0.684 5.614,-0.758 5.614,-1.007 5.689,-1.081 5.713,-1.081 5.75,-1.117 D1.10 5.75,-1.483 5.713,-1.519 5.689,-1.519 5.614,-1.593 5.614,-2.305 5.614,-2.565 5.75,-2.701 J1.25
  Bottom Layer w0.127: v1(-3.4,10.163) -3.352,10.211 -3.143,10.211 -2.711,10.643 -2.711,11.053 J2.26 ; v1(-2.65,4.35) -2.597,4.297 -2.597,4.098 -2.367,3.868 2.395,3.868 2.813,4.287 3.664,4.287 3.898,4.053 4.097,4.053 v1(4.15,4)
MIPI_D0_P: D1.2 D1.9 J1.24 J2.25 | length 23.6
  Top Copper w0.127: v1(-3.4,9.555) -3.4,9.482 -3.258,9.339 -3.258,7.522 -3.258,6.834 cw(c-3.385,6.834) -3.385,6.707 -3.475,6.707 ccw(c-3.475,6.58) -3.475,6.453 -3.385,6.453 cw(c-3.385,6.326) -3.258,6.326 -3.258,6.262 -3.258,4.435 -3.064,4.242 -3.064,4.043 v1(-3.011,3.989) ; v1(3.789,3.639) 3.843,3.586 4.041,3.586 4.355,3.271 4.905,3.271 5.386,2.791 5.386,-0.172 5.311,-0.246 5.286,-0.246 5.25,-0.282 D1.2 5.25,-0.648 5.286,-0.684 5.311,-0.684 5.386,-0.758 5.386,-1.007 5.311,-1.081 5.286,-1.081 5.25,-1.117 D1.9 5.25,-1.483 5.286,-1.519 5.311,-1.519 5.386,-1.593 5.386,-2.211 5.386,-2.565 5.25,-2.701 J1.24
  Bottom Layer w0.127: v1(-3.4,9.555) -2.955,9.555 -2.456,9.056 -2.456,8.703 J2.25 ; v1(-3.011,3.989) -2.957,3.936 -2.758,3.936 -2.462,3.639 2.489,3.639 2.908,4.058 3.57,4.058 3.736,3.892 3.736,3.693 v1(3.789,3.639)
MIPI_D1_N: D1.4 D1.7 J1.22 J2.22 | length 23.6
  Top Copper w0.127: v1(-1.95,9.95) -1.873,9.95 -1.569,9.645 -1.569,8.808 -1.9,8.477 -1.9,6.022 -1.492,5.614 -1.293,5.614 v1(-1.239,5.561) ; v1(2.05,5.3) 2.125,5.3 2.266,5.159 2.632,5.159 2.979,4.813 2.979,3.271 3.85,2.4 3.947,2.303 ; 3.947,2.303 ccw(c4.234,2.59) 4.234,2.184 4.305,2.184 cw(c4.305,1.765) 4.724,1.765 cw(c4.305,1.765) 4.305,1.346 ccw(c4.305,1.155) 4.114,1.155 4.114,0.246 4.114,-0.172 4.189,-0.246 4.213,-0.246 4.25,-0.282 D1.4 4.25,-0.648 4.213,-0.684 4.189,-0.684 4.114,-0.758 4.114,-1.007 4.189,-1.081 4.213,-1.081 4.25,-1.117 D1.7 4.25,-1.483 4.213,-1.519 4.189,-1.519 4.114,-1.593 4.114,-2.305 4.114,-2.565 4.25,-2.701 J1.22
  Bottom Layer w0.127: v1(-1.95,9.95) -1.95,10.013 -1.48,10.483 J2.22 ; v1(-1.239,5.561) -1.186,5.507 -1.186,5.308 -1.037,5.159 -0.6,5.159 -0.422,5.159 ccw(c-0.422,5.286) -0.295,5.286 -0.295,5.898 cw(c0.016,5.898) 0.016,6.209 0.181,6.209 cw(c0.181,5.898) 0.492,5.898 0.492,4.717 ccw(c0.575,4.717) 0.575,4.635 0.74,4.635 ccw(c0.74,4.717) 0.822,4.717 0.822,4.804 cw(c1.178,4.804) 1.178,5.159 1.7,5.159 1.834,5.159 1.975,5.3 v1(2.05,5.3)
MIPI_D1_P: D1.5 D1.6 J1.21 J2.23 | length 23.6
  Top Copper w0.127: v1(-1.95,9.342) -1.95,9.279 -1.797,9.126 -1.797,8.903 -2.072,8.628 -2.129,8.571 -2.129,8.361 cw(c-2.256,8.361) -2.256,8.234 -2.276,8.234 ccw(c-2.276,8.108) -2.402,8.108 -2.402,8.081 ccw(c-2.276,8.081) -2.276,7.955 -2.254,7.955 cw(c-2.254,7.829) -2.129,7.829 -2.129,7.801 cw(c-2.254,7.801) -2.254,7.675 -2.276,7.675 ccw(c-2.276,7.55) -2.402,7.55 -2.402,7.522 ccw(c-2.276,7.522) -2.276,7.396 -2.254,7.396 cw(c-2.254,7.27) -2.129,7.27 -2.129,7.242 cw(c-2.254,7.242) -2.254,7.117 -2.276,7.117 ccw(c-2.276,6.991) -2.402,6.991 -2.402,6.963 ccw(c-2.276,6.963) -2.276,6.837 -2.254,6.837 cw(c-2.254,6.711) -2.129,6.711 -2.129,6.684 cw(c-2.254,6.684) -2.254,6.558 -2.276,6.558 ccw(c-2.276,6.432) -2.402,6.432 -2.402,6.404 ccw(c-2.276,6.404) -2.276,6.278 -2.256,6.278 cw(c-2.256,6.151) -2.129,6.151 -2.129,6.088 -2.129,5.928 -1.653,5.452 -1.653,5.253 v1(-1.6,5.2) ; v1(2.05,4.79) 2.125,4.79 2.266,4.931 2.538,4.931 2.75,4.718 2.75,3.177 3.527,2.4 3.785,2.142 ccw(c4.234,2.59) 4.234,1.955 4.305,1.955 cw(c4.305,1.765) 4.495,1.765 cw(c4.305,1.765) 4.305,1.574 ccw(c4.305,1.155) 3.886,1.155 3.886,0.246 3.886,-0.172 3.811,-0.246 3.786,-0.246 3.75,-0.282 D1.5 3.75,-0.648 3.786,-0.684 3.811,-0.684 3.886,-0.758 3.886,-1.007 3.811,-1.081 3.786,-1.081 3.75,-1.117 D1.6 3.75,-1.483 3.786,-1.519 3.811,-1.519 3.886,-1.593 3.886,-2.211 3.886,-2.565 3.75,-2.701 J1.21
  Bottom Layer w0.127: v1(-1.95,9.342) -1.95,9.293 -1.794,9.137 -1.794,8.64 J2.23 ; v1(-1.6,5.2) -1.547,5.147 -1.348,5.147 -1.132,4.931 -0.6,4.931 -0.422,4.931 ccw(c-0.422,5.286) -0.067,5.286 -0.067,5.898 cw(c0.016,5.898) 0.016,5.98 0.181,5.98 cw(c0.181,5.898) 0.263,5.898 0.263,4.717 ccw(c0.575,4.717) 0.575,4.406 0.74,4.406 ccw(c0.74,4.717) 1.051,4.717 1.051,4.804 cw(c1.178,4.804) 1.178,4.931 1.7,4.931 1.834,4.931 1.975,4.79 v1(2.05,4.79)
MIPI_D2_N: D2.4 D2.7 J1.16 J2.16 | length 23.4
  Top Copper w0.127: v1@0.7,10.208 0.716,10.208 1.25,9.674 1.25,8.537 1.25,8.359 ccw(c1.377,8.359) 1.377,8.232 3.148,8.232 cw(c3.148,7.902) 3.478,7.902 3.478,7.699 cw(c3.148,7.699) 3.148,7.369 1.332,7.369 ccw(c1.332,7.267) 1.231,7.267 1.231,7.064 ccw(c1.332,7.064) 1.332,6.963 3.148,6.963 cw(c3.148,6.633) 3.478,6.633 3.478,6.43 cw(c3.148,6.43) 3.148,6.099 1.377,6.099 ccw(c1.377,5.972) 1.25,5.972 1.25,5.35 1.25,3.65 1.114,3.514 1.114,-0.172 1.189,-0.246 1.214,-0.246 1.25,-0.282 D2.4 1.25,-0.648 1.214,-0.684 1.189,-0.684 1.114,-0.758 1.114,-1.007 1.189,-1.081 1.214,-1.081 1.25,-1.117 D2.7 1.25,-1.483 1.214,-1.519 1.189,-1.519 1.114,-1.593 1.114,-2.305 1.114,-2.565 1.25,-2.701 J1.16
  Bottom Layer w0.127: J2.16 0.36,11.044 0.36,10.517 0.683,10.193 v1(0.685,10.193)
MIPI_D2_P: D2.5 D2.6 J1.15 J2.17 | length 23.5
  Top Copper w0.127: v1(0.7,9.6) 0.7,9.539 0.788,9.451 1.021,9.218 1.021,8.55 1.021,8.537 1.021,8.359 ccw(c1.377,8.359) 1.377,8.004 3.148,8.004 cw(c3.148,7.902) 3.249,7.902 3.249,7.699 cw(c3.148,7.699) 3.148,7.598 1.332,7.598 ccw(c1.332,7.267) 1.002,7.267 1.002,7.064 ccw(c1.332,7.064) 1.332,6.734 3.148,6.734 cw(c3.148,6.633) 3.249,6.633 3.249,6.43 cw(c3.148,6.43) 3.148,6.328 1.377,6.328 ccw(c1.377,5.972) 1.021,5.972 1.021,5.35 1.021,5.15 1.021,4.598 cw(c0.894,4.598) 0.894,4.471 0.848,4.471 ccw(c0.848,4.388) 0.765,4.388 0.765,4.223 ccw(c0.848,4.223) 0.848,4.141 0.894,4.141 cw(c0.894,4.014) 1.021,4.014 1.021,3.95 1.021,3.745 0.886,3.609 0.886,-0.172 0.811,-0.246 0.787,-0.246 0.75,-0.282 D2.5 0.75,-0.648 0.787,-0.684 0.811,-0.684 0.886,-0.758 0.886,-1.007 0.811,-1.081 0.787,-1.081 0.75,-1.117 D2.6 0.75,-1.483 0.787,-1.519 0.811,-1.519 0.886,-1.593 0.886,-2.211 0.886,-2.565 0.75,-2.701 J1.15
  Bottom Layer w0.127: J2.17 0.012,9.264 0.305,9.557 0.657,9.557 v1(0.7,9.6)
MIPI_D3_N: D3.1 D3.10 J1.13 J2.14 | length 23.6
  Top Copper w0.127: J1.13 -0.25,-2.701 -0.386,-2.565 -0.386,-2.211 -0.386,-1.593 -0.311,-1.519 -0.287,-1.519 -0.25,-1.483 D3.10 -0.25,-1.117 -0.287,-1.081 -0.311,-1.081 -0.386,-1.007 -0.386,-0.758 -0.311,-0.684 -0.287,-0.684 -0.25,-0.648 D3.1 -0.25,-0.282 -0.287,-0.246 -0.311,-0.246 -0.386,-0.172 -0.386,0.138 -0.25,0.273 v1(-0.25,0.35) ; v1(1.8,10.208) 1.826,10.208 2.016,10.018 3.255,10.018 4.629,8.645 4.629,6.711 5.259,6.08 5.259,5.416 5.4,5.275 v1(5.4,5.2) ; v1@1.8,10.258 v1@1.816,10.258
  Bottom Layer w0.127: v1(-0.25,0.35) -0.25,0.425 -0.391,0.566 -0.391,0.809 -0.1,1.1 2.979,1.1 3.5,1.1 3.844,1.444 cw(c3.997,1.292) 4.15,1.444 4.326,1.268 ccw(c4.64,1.582) 4.955,1.268 ccw(c4.64,1.582) 4.955,1.896 4.778,2.073 cw(c4.931,2.226) 4.778,2.378 4.904,2.504 5.259,2.859 5.259,4.984 5.4,5.125 v1(5.4,5.2) ; J2.14 0.92,10.48 1.143,10.257 1.751,10.257 v1(1.8,10.208)
MIPI_D3_P: D3.2 D3.9 J1.12 J2.13 | length 23.6
  Top Copper w0.127: v1(-0.76,0.35) -0.76,0.275 -0.614,0.129 -0.614,-0.172 -0.689,-0.246 -0.714,-0.246 -0.75,-0.282 D3.2 -0.75,-0.648 -0.714,-0.684 -0.689,-0.684 -0.614,-0.758 -0.614,-1.007 -0.689,-1.081 -0.714,-1.081 -0.75,-1.117 D3.9 -0.75,-1.483 -0.714,-1.519 -0.689,-1.519 -0.614,-1.593 -0.614,-2.305 -0.614,-2.565 -0.75,-2.701 J1.12 ; v1(1.8,9.6) 1.826,9.6 2.016,9.79 2.79,9.79 3.16,9.79 3.193,9.757 cw(c3.103,9.668) 3.193,9.578 3.071,9.456 ccw(c3.13,9.398) 3.071,9.34 3.188,9.223 ccw(c3.246,9.281) 3.305,9.223 3.426,9.344 cw(c3.516,9.255) 3.606,9.344 3.735,9.215 3.78,9.17 4.4,8.55 4.4,6.616 5.031,5.985 5.031,5.416 4.89,5.275 v1(4.89,5.2)
  Bottom Layer w0.127: v1(-0.76,0.35) -0.76,0.425 -0.619,0.566 -0.619,0.904 -0.195,1.329 2.975,1.329 3.405,1.329 3.683,1.606 cw(c3.997,1.292) 4.311,1.606 4.488,1.429 ccw(c4.64,1.582) 4.793,1.429 ccw(c4.64,1.582) 4.793,1.735 4.617,1.911 cw(c4.931,2.226) 4.617,2.54 4.742,2.666 5.031,2.954 5.031,4.984 4.89,5.125 v1(4.89,5.2) ; J2.13 1.212,9.384 1.404,9.576 1.776,9.576 v1(1.8,9.6)
NetC19_2: C19.2 FB1.1 L1.2 R2.2 U1.5 | length 13.3
  Top Copper w0.102: FB1.1@-4.8,11.05 -4.65,11.05 0,11.05 R2.2@0.4,11.45 ; v1(-1.422,13.845) -1.4,13.823 -1.073,13.823 U1.5 ; R2.2@0.4,11.465 0.4,11.54 0.574,11.714 v1(0.77,11.714)
  Top Copper w0.381: FB1.1@-4.8,11.05 -4.65,11.2 -4.65,11.8 C19.2 -4.5,11.8 -3,11.8 L1.2
  Bottom Layer w0.102: v1(-1.422,13.845) -1.339,13.845 -1.234,13.95 0.2,13.95 0.77,13.38 v1(0.77,11.714)
NetJ2_6: J2.6 R1.2 | length 1
  Bottom Layer w0.2: J2.6 3.32,12.02 R1.2@3.355,12.055
NetJ2_30: J2.30 R8.1 | length 1.2
  Bottom Layer w0.2: J2.30 -3.848,11.116 -3.848,11.552 -3.4,12 R8.1
NetL1_1: L1.1 U1.7 | length 2.2
  Top Copper w0.381: L1.1 -2.25,13.65 -1.65,13.05 -1.65,13 -1.45,12.8 U1.7
NetR2_1: R2.1 R4.1 R5.1 U1.4 | length 4
  Top Copper w0.102: U1.4 U1.4@0.914,13.8
  Top Copper w0.381: U1.4@0.914,13.8 R5.1@2.016,13.8 ; R2.1 1.334,11.535 1.334,11.934 1.641,12.241 2.041,12.241 2.2,12.4 R5.1@2.2,13.684
NetR4_2: R4.2 R7.2 | length 1.9
  Top Copper w0.2: R4.2 3.6,11.6 3.925,11.275 4.475,11.275 R7.2
NetR5_2: R5.2 R6.2 | length 1
  Top Copper w0.2: R5.2 3.75,13.75 R6.2
STROBE3: J1.3 J2.10 TP1.1 | length 39.7
  Top Copper w0.102: J1.3 -5.25,-4.001 -5.151,-4.1 -5.151,-4.159 ; -5.15,-4.16 -5.15,-4.7 -4.602,-5.248 -4.435,-5.248 -4.333,-5.35 v1(-4.25,-5.35)
  Bottom Layer w0.102: v1(-4.25,-5.35) -1.85,-5.35 -0.574,-4.074 6.426,-4.074 7.3,-3.2 7.3,1.1 8.5,2.3 8.5,11.5 7.593,12.407 7.593,12.907 7.05,13.45 2.75,13.45 2.4,13.1 2.4,11.736 2.166,11.502 2.166,11.131 J2.10
pads on no net: FID1.1 FID2.1 FID3.1 FID4.1 J2.0 J2.28 MTG1.1 MTG2.1 MTG3.1 MTG4.1 U1.6 U2.4 U3.4

## Polygon pours and split planes (outlines as drawn)
GND on Bottom Layer "¸" (solid, remove dead copper, pour order 4): -12.5,-7.331 ccw(c-10.5,-7.331) -10.5,-9.331 10.5,-9.331 ccw(c10.5,-7.331) 12.5,-7.331 12.5,12.525 12.5,12.531 ccw(c10.5,12.531) 10.5,14.531 -10.5,14.531 ccw(c-10.5,12.531) -12.5,12.531
3V3 on Bottom Layer "¸" (solid, pour order 0): -0.6,11.742 -0.6,12.1 -2.05,13.55 -8.05,13.55 -9.4,12.2 -9.4,-2.3 -6.35,-5.35 -5.15,-5.35 -5.15,-2.05 -6.55,-0.65 -6.55,4.6 -7.25,5.3 -7.25,10.292 -5.542,12 -2.956,12 -2.697,11.742
GND on Signal Layer 1 "¸" (solid, remove dead copper, pour order 2): -12.5,-7.331 ccw(c-10.5,-7.331) -10.5,-9.331 10.5,-9.331 ccw(c10.5,-7.331) 12.5,-7.331 12.5,12.525 12.5,12.531 ccw(c10.5,12.531) 10.5,14.531 -10.5,14.531 ccw(c-10.5,12.531) -12.5,12.531
GND on Layer 1 "¸" (solid, remove dead copper, pour order 3): -12.5,-7.331 ccw(c-10.5,-7.331) -10.5,-9.331 10.5,-9.331 ccw(c10.5,-7.331) 12.5,-7.331 12.5,12.525 12.5,12.531 ccw(c10.5,12.531) 10.5,14.531 -10.5,14.531 ccw(c-10.5,12.531) -12.5,12.531
GND on Top Copper "¸" (solid, remove dead copper, pour order 1): -12.5,-7.331 ccw(c-10.5,-7.331) -10.5,-9.331 10.5,-9.331 ccw(c10.5,-7.331) 12.5,-7.331 12.5,12.525 12.5,12.531 ccw(c10.5,12.531) 10.5,14.531 -10.5,14.531 ccw(c-10.5,12.531) -12.5,12.531

## Keep-outs
Keep-Out Layer:
  circle w0.254: c10.5,12.5 r1.778
  circle w0.254: c-10.5,0 r1.778
  circle w0.254: c-10.5,12.5 r1.778
  circle w0.254: c10.5,0 r1.778
  lines w0.762: 12.5,12.525 12.5,-7.331 cw(c10.5,-7.331) 10.5,-9.331 -10.5,-9.331 cw(c-10.5,-7.331) -12.5,-7.331 -12.5,12.531 cw(c-10.5,12.531) -10.5,14.531 10.5,14.531 cw(c10.5,12.531) 12.5,12.531

## Other copper
Top Copper:
  pour cut-out: -4.1,13.2 -4.1,12.1 -1.3,12.1 -1.3,13.2

## Silkscreen, mask and mechanical layers (free items; w line width, h text height)
Top Overlay:
  drawing of 19 lines, arcs and shapes, not listed
  text "GND" at 6.6,13.2 h1.27
  text "1V2" at 2.2,10.7 h1
  text "2V8" at -9,10.5 h1.27
  text "1V8" at 7.9,10 h1.27
  text "1V0" at 2.2,9.34 h1
  text "GND" at -11.9,8.1 h1.27
  text ".PROJECT_TITLE" at 0.6,3.95 h1.27
  text "GND" at -3.6,3.896 h1.27
  text ".REVISION" at 0.6,3 h1.27
  text "DVDD" at -7.6,2.7 h1.27
  text "RST" at -2.8,2.2 h1.27
  text "GND" at 9.87,2 h1.27
  text "3V3" at 5,1.9 h1.27
  text "SCL" at -6.5,0.95 h1.27
  text "CLK" at -2.7,0 h1.27
  text "SDA" at -6.5,-1.2 h1.27
  text "BOT" at -13.6,-4.975 h1
Bottom Overlay:
  drawing of 13 lines, arcs and shapes, not listed
  text "RoHS" at -11.525,5.75 h1.4 r180
  text "Pb" at -11.153,3.973 h2.34 r180
  text ".REVISION" at -11.055,-6.578 h1.27 r180
  text ".PROJECT_TITLE" at -11.055,-7.628 h1.27 r180
Board:
  lines w0.025: 12.5,12.525 12.5,-7.331 cw(c10.5,-7.331) 10.5,-9.331 -10.5,-9.331 cw(c-10.5,-7.331) -12.5,-7.331 -12.5,12.531 cw(c-10.5,12.531) -10.5,14.531 10.5,14.531 cw(c10.5,12.531) 12.5,12.531

## Text inside footprints (layer, text, board x,y; h text height)
J1: Top Overlay "26" at 6.525,-1.775 h1.52; Top Overlay "1" at -7.225,-4.225 h1.52
J2: Bottom Courtyard "OV9282/IMX214" at -3.375,-3.623 h1 r180; Bottom Courtyard "IMX378" at -1.5,-4.711 h1 r180